# KiCad board AMC_FMC_Carrier-PcbDoc.kicad_pcb (continued)
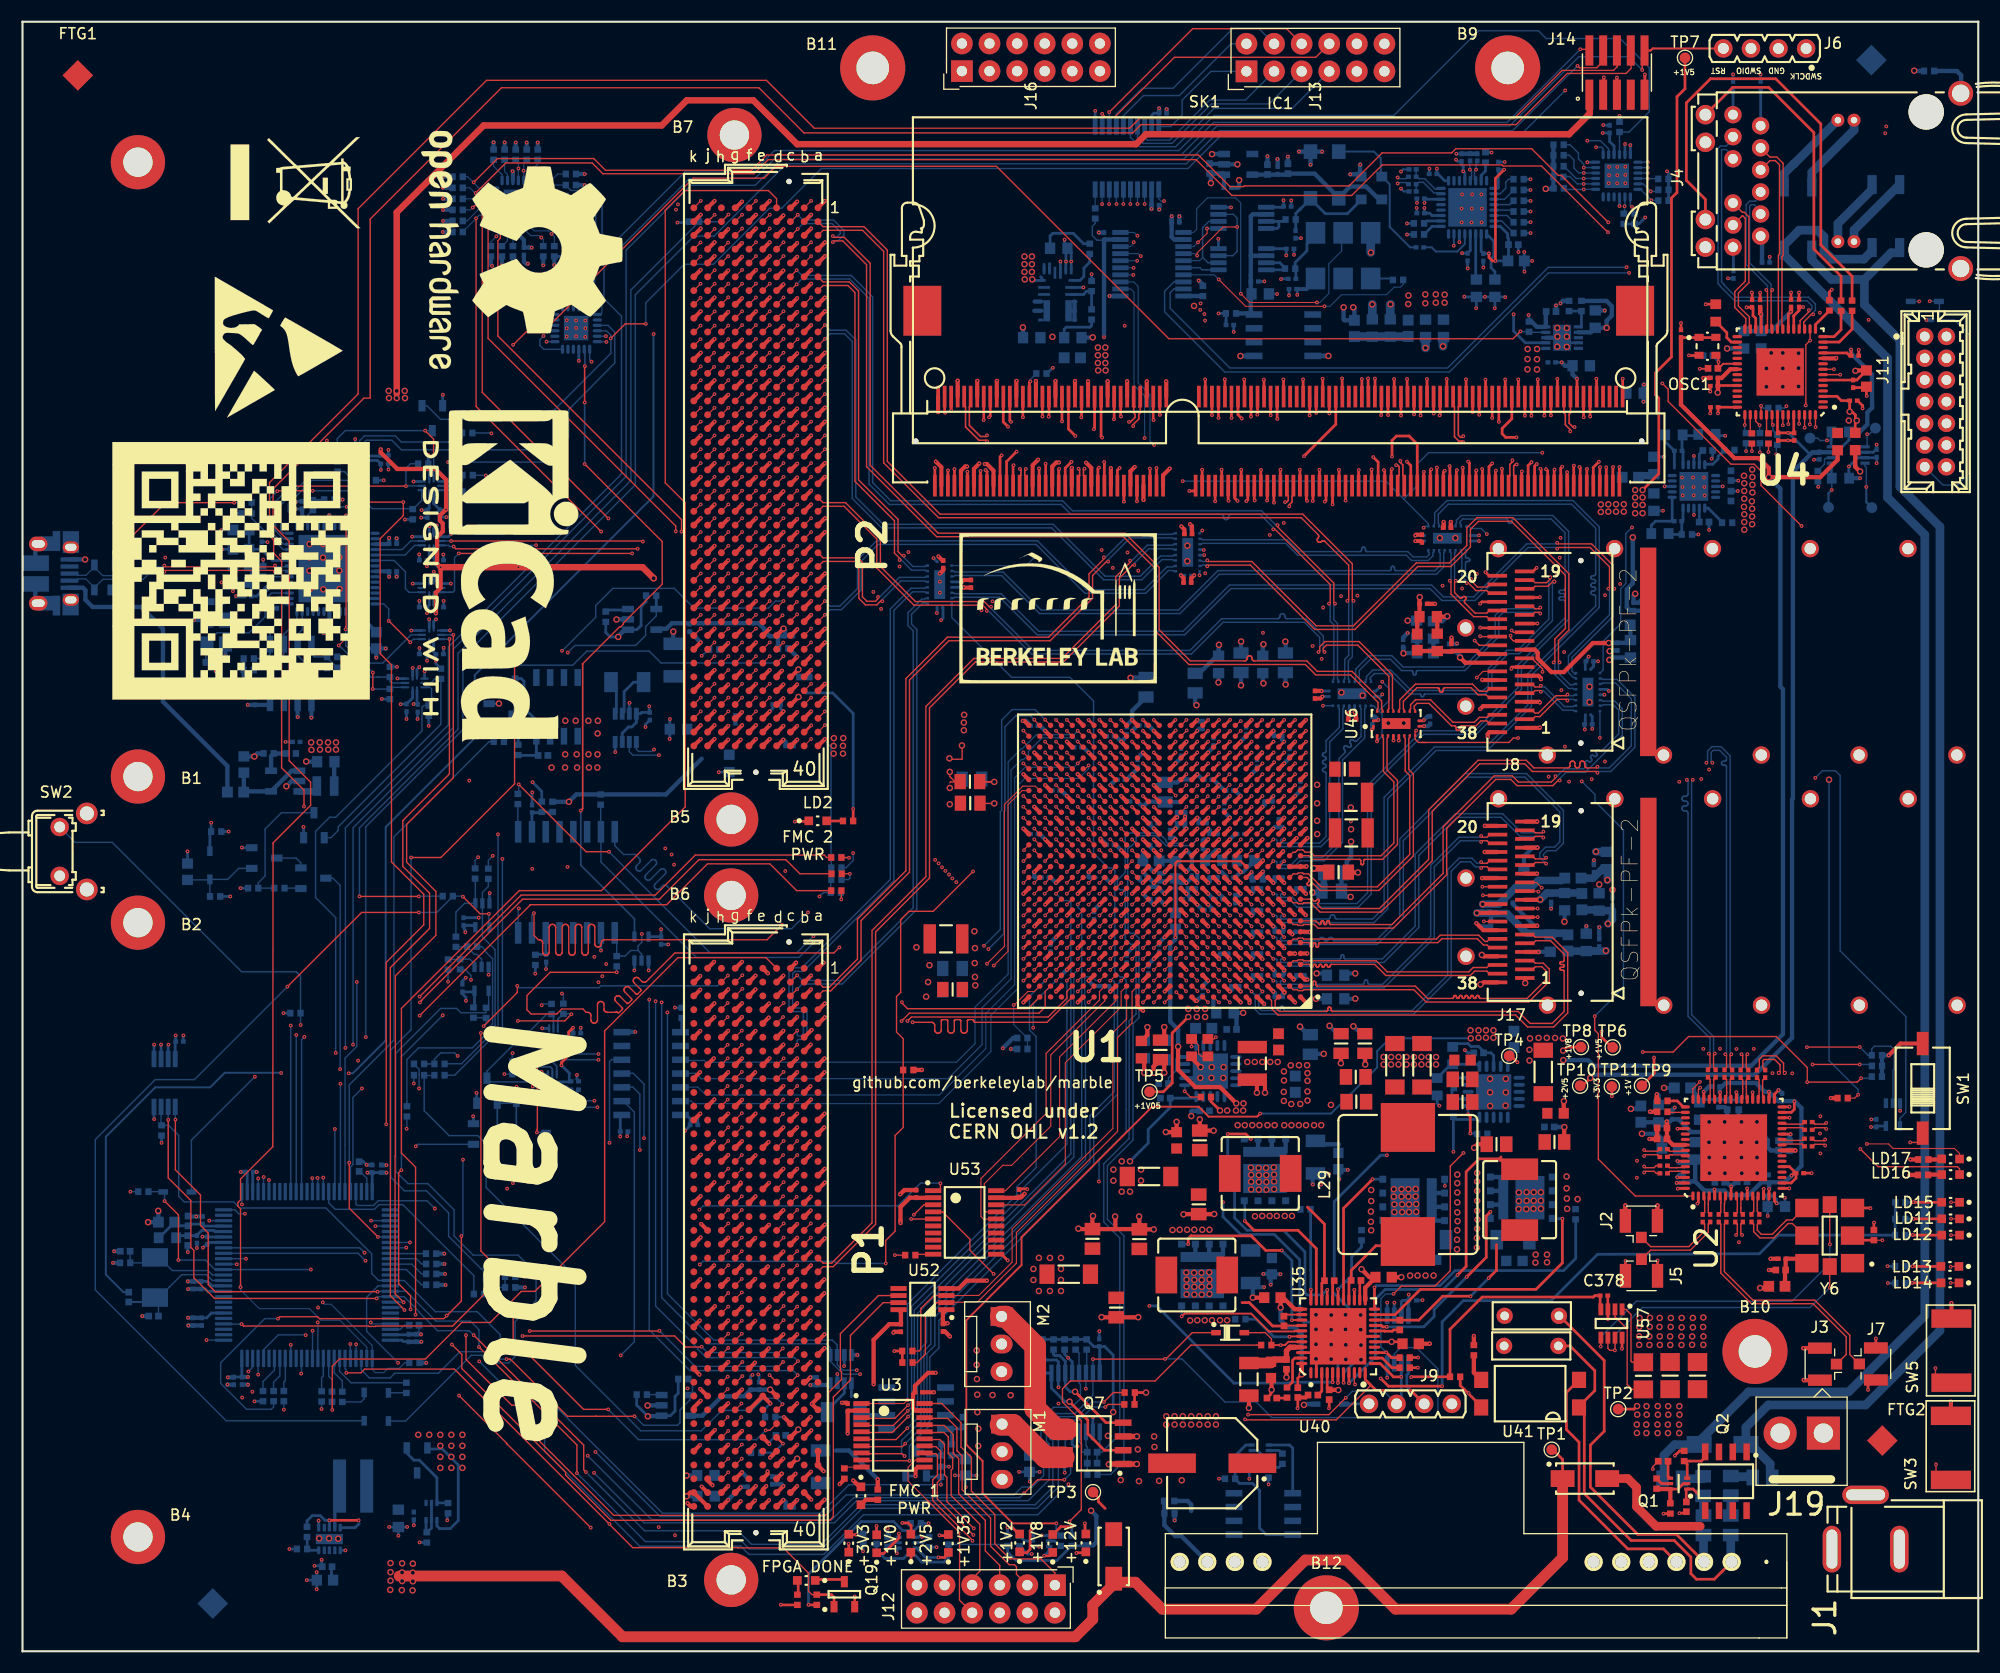
[diagram p0: board, top side]
## Routing (per net, layer and track width the routed paths; a pad name or vN(x,y) marks a point on that pad's centre or on a via; arc(x,y) is an arc through that point) (continued)
FMC1_LA_26_N: length 56.5
  Top w0.11: U1.E12 v1(106.15,63.76)
  Top w0.112: v1(70.05,30.48) 69.42,29.85 P1.D27
  In4.Cu w0.1: v1(70.05,30.48) 70.56,30.99 80.26,30.99 106.13,56.85 106.13,57.99 105.79,58.33 105.79,64 105.9,64.1 106.06,64.1 106.15,64 v1(106.15,63.76)
FMC1_LA_26_P: length 56.6
  Top w0.11: U1.E13 105.65,64.23 v1(106.14,64.72)
  Top w0.112: P1.D26 69.4,31.13 v1(70.05,31.78)
  In4.Cu w0.1: v1(70.05,31.78) 70.56,31.28 80.14,31.28 105.84,56.97 105.84,57.87 105.5,58.21 105.5,64.15 105.75,64.39 106.04,64.39 106.14,64.49 v1(106.14,64.72)
FMC1_LA_27_N: length 54.3
  Top w0.102: U1.F13 v1(105.12,64.73)
  Top w0.112: v1(71.3,30.48) 70.67,29.85 P1.C27
  In7.Cu w0.1: v1(105.12,64.73) 104.76,64.38 104.76,58.15 104.38,57.76 104.38,55.9 79.44,30.96 71.78,30.96 v1(71.3,30.48)
FMC1_LA_27_P: length 53.9
  Top w0.102: U1.F14 v1(104.12,64.73)
  Top w0.112: P1.C26 70.69,31.12 v1(71.3,31.73)
  In2.Cu w0.079: v1(71.3,31.73) 71.29,31.73
  In7.Cu w0.1: v1(71.3,31.73) 71.78,31.25 79.32,31.25 104.09,56.02 104.09,57.88 104.47,58.27 104.47,64.38 v1(104.12,64.73)
  Bottom w0.127: v1(104.12,64.73) 104.12,64.71
FMC1_LA_28_N: length 71.3
  Top w0.102: U1.H13 v1(105.12,66.73)
  Top w0.112: P1.H32 64.32,23.55 v1(64.9,24.13)
  In2.Cu w0.1: 105.12,66.74 105.12,67.02 105.05,67.09 104.98,67.09 104.76,66.88 104.76,58.46 104.36,58.06 104.36,55.14 102.64,53.42 102.64,52.84 94.49,44.7 85.38,44.7 75.32,34.64 75.32,27.11 74,25.79 70.57,25.79 69.34,24.56 65.33,24.56 v1(64.9,24.13)
FMC1_LA_28_P: length 71.2
  Top w0.102: U1.J13 v1(105.12,67.73)
  Top w0.112: P1.H31 64.39,24.77 v1(64.9,25.28)
  In2.Cu w0.1: v1(64.9,25.28) 65.33,24.85 69.22,24.85 70.45,26.08 73.88,26.08 75.03,27.23 75.03,34.76 85.26,44.99 94.37,44.99 102.35,52.96 102.35,53.54 104.07,55.26 104.07,58.18 104.47,58.58 104.47,67 104.86,67.38 105.04,67.38 105.12,67.46 105.12,67.73
FMC1_LA_29_N: length 71.5
  Top w0.102: U1.F8 v1(111.12,64.73)
  Top w0.112: P1.G31 65.69,24.77 v1(66.25,25.33)
  In4.Cu w0.1: v1(66.25,25.33) 66.75,25.84 74.38,25.84 75.15,26.61 80.75,26.61 104.21,50.07 106.71,50.07 108.19,51.55 110.83,51.55 111.77,52.49 111.77,59.56 111.77,59.56 111.77,59.9 111.77,59.9 111.77,60.07 111.46,60.37 110.97,60.37 110.76,60.58 110.76,64.38 v1(111.12,64.73)
FMC1_LA_29_P: length 71
  Top w0.102: v1(110.12,64.73) 110.12,64.73 U1.F9
  Top w0.112: P1.G30 65.66,26.04 v1(66.25,26.63)
  In4.Cu w0.1: v1(110.12,64.73) 110.47,64.38 110.47,60.46 110.85,60.08 111.34,60.08 111.48,59.95 111.48,59.44 111.48,59.44 111.48,52.61 110.71,51.84 108.07,51.84 106.59,50.36 104.09,50.36 80.63,26.9 75.03,26.9 74.26,26.13 66.75,26.13 v1(66.25,26.63)
FMC1_LA_30_N: length 72.9
  Top w0.112: v1(64.95,20.28) 64.36,19.69 P1.H35
  Top w0.127: v1(108.13,60.77) 107.67,61.23 U1.B11
  In2.Cu w0.1: v1(108.13,60.77) 107.75,60.38 107.75,60.16 107.19,59.61 107.06,59.61 106.77,59.31 106.77,56.93 107.2,56.49 107.2,52.58 105.79,51.17 104.29,51.17 93.46,40.34 85.18,40.34 77.89,33.05 77.89,23.64 73.81,19.56 69.53,19.56 69.18,19.91 69.18,20.33 68.76,20.75 65.42,20.75 v1(64.95,20.28)
FMC1_LA_30_P: length 72.1
  Top w0.112: P1.H34 64.9,21.54 v1(64.9,21.56)
  Top w0.127: v1(107.08,60.76) 107.08,60.77 U1.B12
  In2.Cu w0.1: v1(64.9,21.56) 65.42,21.04 68.88,21.04 69.47,20.45 69.47,20.03 69.65,19.85 73.69,19.85 77.6,23.76 77.6,33.17 85.09,40.66 93.37,40.66 104.17,51.46 105.67,51.46 106.91,52.7 106.91,56.37 106.48,56.81 106.48,60.15 v1(107.08,60.76)
FMC1_LA_31_N: length 67.7
  Top w0.112: v1(66.15,21.56) 66.15,21.52 P1.G34
  Top w0.127: U1.A12 106.62,60.24 v1(106.19,60.67)
  In2.Cu w0.1: v1(66.15,21.56) 66.64,22.05 73.82,22.05 76.36,24.59 76.36,33.22 86.8,43.66 95.22,43.66 103.58,52.03 105.32,52.03 105.9,52.6 105.9,54.18 105.51,54.57 105.51,55.75 106,56.24 106,60.12 105.86,60.27 105.86,60.34 v1(106.19,60.67)
FMC1_LA_31_P: length 67.2
  Top w0.112: 65.61,22.22 66.17,22.78
  Top w0.127: U1.A13 105.62,60.23 v1(105.12,59.73)
  In2.Cu w0.1: v1(105.12,59.73) 105.49,60.11 105.61,60.11 105.71,60 105.71,56.36 105.22,55.87 105.22,54.45 105.61,54.06 105.61,52.73 105.2,52.32 103.46,52.32 95.1,43.95 86.68,43.95 76.07,33.34 76.07,24.71 73.7,22.34 66.64,22.34 v1(66.17,22.81)
FMC1_LA_32_N: length 75.7
  Top w0.102: U1.C13 v1(105.12,61.73)
  Top w0.112: P1.H38 64.35,15.88 v1(64.95,16.48)
  In9.Cu w0.1: v1(105.12,61.73) 104.76,61.38 104.76,58.47 104.43,58.14 104.43,57.23 96.68,49.48 83.22,49.48 73.65,39.9 69.88,39.9 69.48,39.5 69.48,24.53 69.57,24.43 69.57,23.73 69.48,23.64 69.48,17.6 69.45,17.57 69.45,17.53 69.09,17.18 69.06,17.18 68.84,16.96 65.43,16.96 v1(64.95,16.48)
FMC1_LA_32_P: length 75.2
  Top w0.102: U1.C14 v1(104.12,61.73)
  Top w0.112: v1(64.95,17.73) 64.37,17.15 P1.H37
  In9.Cu w0.1: v1(64.95,17.73) 65.43,17.25 68.72,17.25 68.94,17.47 68.97,17.47 69.16,17.65 69.16,17.69 69.19,17.72 69.19,23.76 69.28,23.85 69.28,24.31 69.19,24.41 69.19,39.62 69.76,40.19 73.53,40.19 83.1,49.77 96.56,49.77 104.14,57.35 104.14,58.26 104.47,58.59 104.47,61.38 v1(104.12,61.73)
FMC1_LA_33_N: length 83.3
  Top w0.112: v1(66.2,17.73) 65.62,17.15 P1.G37
  Top w0.127: U1.A10 108.62,60.23 v1(109.1,59.75)
  In9.Cu w0.1: v1(109.1,59.75) 109.1,60.03 109.19,60.12 109.36,60.12 109.46,60.02 109.46,57.79 108.16,56.49 108.16,55.24 106.94,54.02 106.94,52.65 104.64,50.36 102.58,50.36 97.85,45.63 84.91,45.63 74.29,35.02 74.29,16.48 73.73,15.92 64.65,15.92 64.4,16.17 64.4,18.02 64.62,18.24 65.69,18.24 v1(66.2,17.73)
FMC1_LA_33_P: length 85.2
  Top w0.112: P1.G36 65.59,18.42 v1(66.2,19.03)
  Top w0.127: U1.B10 108.65,61.23 v1(109.13,60.75)
  In9.Cu w0.1: v1(109.13,60.75) 109.13,60.46 109.18,60.41 109.48,60.41 109.75,60.14 109.75,57.67 108.45,56.37 108.45,55.12 107.23,53.9 107.23,52.53 104.76,50.07 102.7,50.07 97.97,45.34 85.03,45.34 74.58,34.9 74.58,16.36 73.85,15.63 64.53,15.63 64.11,16.05 64.11,18.14 64.5,18.53 65.69,18.53 v1(66.2,19.03)
FMC2_DP0_C2M_N: length 90.4
  Top w0.127: P2.C3 70.75,130.33 v1(71.35,130.93)
  Top w0.13: 125.17,86.5 125.17,86.67 125.09,86.76 125.09,87.48 122.37,90.2 119.17,90.2 118.2,91.16 113.38,91.16 113.33,91.17 113.28,91.19 113.24,91.21 113.21,91.25 113.18,91.29 113.16,91.34 113.16,91.39 113.16,91.41 113.15,91.46 113.13,91.51 113.11,91.55 113.07,91.59 113.03,91.62 112.98,91.63 112.93,91.64 112.88,91.63 112.83,91.62 112.79,91.59 112.76,91.55 112.73,91.51 112.71,91.46 112.71,91.41 112.71,91.39 112.7,91.34 112.68,91.29 112.66,91.25 112.62,91.21 112.58,91.19 112.53,91.17 112.48,91.16 107.48,91.16 104.61,94.04 104.61,99.78 101.46,102.92 84.27,102.92 78.01,109.18 78.01,127.77 75.63,130.15 74.69,130.15 v1(74.58,130.26)
  Bottom w0.13: v1(74.58,130.26) 74.69,130.15 74.92,130.15 75.27,130.5 75.27,130.66 74.51,131.42 71.84,131.42 v1(71.35,130.93)
FMC2_DP0_C2M_P: length 90.4
  Top w0.127: P2.C2 70.72,131.6 v1(71.35,132.23)
  Top w0.13: v1(74.58,129.71) 74.69,129.82 75.49,129.82 77.68,127.63 77.68,109.04 84.13,102.59 101.33,102.59 104.28,99.64 104.28,93.9 107.35,90.83 118.06,90.83 119.03,89.87 122.23,89.87 124.75,87.34 124.75,86.76 124.67,86.67 124.67,86.5
  Bottom w0.13: v1(71.35,132.23) 71.84,131.75 74.65,131.75 75.6,130.79 75.6,130.36 75.06,129.82 74.69,129.82 v1(74.58,129.71)
FMC2_DP0_M2C_N: length 81.7
  Top w0.127: v1(71.25,125.83) 70.67,125.25 P2.C7
  Top w0.13: v1(115.12,103.28) 115.27,103.28 120.36,98.19 120.36,96.54 v1(120.25,96.43)
  Bottom w0.13: v1(115.12,103.28) 115.12,103.43 113.9,104.65 111.22,104.65 111.17,104.65 111.12,104.63 111.08,104.6 111.05,104.57 111.02,104.52 111,104.48 111,104.43 111,104.39 110.99,104.34 110.97,104.3 110.95,104.25 110.91,104.22 110.87,104.19 110.82,104.17 110.77,104.17 110.72,104.17 110.67,104.19 110.63,104.22 110.6,104.25 110.57,104.3 110.55,104.34 110.55,104.39 110.55,104.43 110.54,104.48 110.52,104.52 110.5,104.57 110.46,104.6 110.42,104.63 110.37,104.65 110.32,104.65 96.5,104.65 95.59,105.57 79.79,105.57 77.91,107.44 77.91,124.53 76.13,126.32 71.73,126.32 v1(71.25,125.83) ; U48.12 120.61,89.41 120.69,89.5 120.69,94.48 120.36,94.82 120.36,96.32 v1(120.25,96.43)
FMC2_DP0_M2C_P: length 81.7
  Top w0.127: P2.C6 70.67,126.55 v1(71.25,127.13)
  Top w0.13: v1(115.51,103.66) 115.51,103.51 120.69,98.33 120.69,96.54 v1(120.8,96.43)
  Bottom w0.13: v1(71.25,127.13) 71.73,126.65 76.27,126.65 78.24,124.67 78.24,107.58 79.92,105.9 95.72,105.9 96.64,104.98 114.04,104.98 115.35,103.66 v1(115.51,103.66) ; v1(120.8,96.43) 120.69,96.32 120.69,94.95 121.03,94.61 121.03,89.5 121.11,89.41 U48.13
FMC2_DP1_C2M_N: length 68.9
  Top w0.13: P2.A23 73.68,105.4 75.61,105.4 78.62,102.39 78.62,99.72 82.05,96.29 88.37,96.29 88.75,95.91 v1(88.75,95.76) ; v1(119.28,91.99) 119.39,92.1 119.39,92.46 119.87,92.94 123.03,92.94 126.09,89.88 126.09,86.76 126.17,86.67 126.17,86.5
  Bottom w0.13: v1(119.28,91.99) 119.39,92.1 119.39,93.32 117.99,94.72 110.5,94.72 107.58,91.8 92.87,91.8 88.91,95.76 v1(88.75,95.76)
FMC2_DP1_C2M_P: length 68.9
  Top w0.13: P2.A22 73.68,105.73 75.74,105.73 78.95,102.52 78.95,99.86 82.18,96.62 88.51,96.62 88.99,96.15 v1(89.14,96.15) ; 125.67,86.5 125.67,86.67 125.75,86.76 125.75,89.75 122.89,92.61 120,92.61 119.72,92.33 119.72,92.1 v1(119.83,91.99)
  Bottom w0.13: v1(119.83,91.99) 119.72,92.1 119.72,93.45 118.12,95.05 116.4,95.05 116.35,95.06 116.31,95.07 116.26,95.1 116.23,95.13 116.2,95.18 116.18,95.22 116.18,95.27 116.18,95.29 116.17,95.34 116.16,95.39 116.13,95.43 116.09,95.47 116.05,95.5 116,95.51 115.95,95.52 115.9,95.51 115.86,95.5 115.81,95.47 115.78,95.43 115.75,95.39 115.73,95.34 115.73,95.29 115.73,95.27 115.72,95.22 115.71,95.18 115.68,95.13 115.64,95.1 115.6,95.07 115.55,95.06 115.5,95.05 110.37,95.05 107.45,92.13 93,92.13 89.14,95.99 v1(89.14,96.15)
FMC2_DP1_M2C_N: length 84.8
  Top w0.13: v1(121.95,96.69) 122.06,96.8 122.06,99.97 119.87,102.16 119.83,102.19 119.79,102.21 119.74,102.22 119.69,102.22 119.64,102.21 119.59,102.19 119.55,102.16 119.54,102.15 119.5,102.11 119.46,102.09 119.41,102.08 119.36,102.08 119.31,102.09 119.26,102.11 119.22,102.15 119.19,102.18 119.17,102.23 119.16,102.28 119.16,102.33 119.17,102.38 119.19,102.42 119.22,102.46 119.24,102.48 119.27,102.52 119.29,102.56 119.3,102.61 119.3,102.66 119.29,102.71 119.27,102.76 119.24,102.79 117.68,104.35 84.31,104.35 79.26,109.4 79.26,128.85 77.31,130.8 73.68,130.8 P2.A3
  Bottom w0.13: U48.14 121.61,89.41 121.69,89.5 121.69,91.31 122.06,91.68 122.06,96.58 v1(121.95,96.69)
FMC2_DP1_M2C_P: length 84.8
  Top w0.13: v1(122.5,96.69) 122.39,96.8 122.39,100.11 117.82,104.68 84.44,104.68 79.59,109.53 79.59,128.99 77.45,131.13 73.68,131.13 P2.A2
  Bottom w0.13: v1(122.5,96.69) 122.39,96.58 122.39,91.54 122.03,91.18 122.03,89.5 122.11,89.41 U48.15
FMC2_DP2_C2M_N: length 14.9
  Top w0.13: v1(79.12,96.66) 78.97,96.66 78.63,96.32 77.58,96.32 76.97,96.92 76.97,100.1 76.75,100.32 73.68,100.32 P2.A27
  Bottom w0.13: v1(79.12,96.66) 79.12,96.81 80.83,98.52 83.07,98.52 83.15,98.44 83.33,98.44
FMC2_DP2_C2M_P: length 14.9
  Top w0.13: v1(78.73,97.05) 78.73,96.89 78.49,96.65 77.71,96.65 77.3,97.06 77.3,100.24 76.89,100.65 73.68,100.65 P2.A26
  Bottom w0.13: v1(78.73,97.05) 78.89,97.05 80.69,98.85 83.07,98.85 83.15,98.94 83.33,98.94
FMC2_DP2_M2C_N: length 33.2
  Top w0.13: P2.A7 73.68,125.72 75.96,125.72 76.62,125.07 76.62,107.69 80.25,104.06 80.25,101.09 80.73,100.61 v1(80.73,100.46)
  Bottom w0.13: 83.33,99.44 83.15,99.44 83.07,99.52 81.82,99.52 80.88,100.46 v1(80.73,100.46)
FMC2_DP2_M2C_P: length 33.2
  Top w0.13: P2.A6 73.68,126.05 76.1,126.05 76.95,125.2 76.95,107.83 80.58,104.2 80.58,101.23 80.96,100.85 v1(81.12,100.85)
  Bottom w0.13: 83.33,99.94 83.15,99.94 83.07,99.85 81.95,99.85 81.12,100.69 v1(81.12,100.85)
FMC2_DP3_C2M_N: length 40.2
  Top w0.112: P2.A31 v1(73.85,95.41)
  Bottom w0.13: v1(73.85,95.41) 74.32,95.88 75.36,95.88 77.17,97.69 77.17,100.33 78.73,101.88 93.29,101.88 97.78,97.39 103.37,97.39 105.47,99.48 105.87,99.48 105.96,99.4 106.13,99.4
FMC2_DP3_C2M_P: length 40.2
  Top w0.112: P2.A30 v1(73.85,96.68)
  Bottom w0.13: 106.13,99.9 105.96,99.9 105.87,99.81 105.33,99.81 103.23,97.72 97.92,97.72 93.42,102.21 78.59,102.21 76.84,100.47 76.84,97.82 75.23,96.21 74.32,96.21 v1(73.85,96.68)
FMC2_DP3_M2C_N: length 52
  Top w0.112: P2.A11 v1(73.85,120.81)
  Bottom w0.13: v1(73.85,120.81) 74.32,121.28 75.66,121.28 76.36,120.57 76.36,106.12 79.08,103.41 94.72,103.41 99.5,98.63 103.01,98.63 104.87,100.48 105.87,100.48 105.96,100.4 106.13,100.4
FMC2_DP3_M2C_P: length 52
  Top w0.112: P2.A10 v1(73.85,122.08)
  Bottom w0.13: 106.13,100.9 105.96,100.9 105.87,100.81 104.73,100.81 102.88,98.96 99.63,98.96 94.86,103.74 79.21,103.74 76.69,106.26 76.69,120.71 75.8,121.61 74.32,121.61 v1(73.85,122.08)
FMC2_HA00_CC_N: length 76.9
  Top w0.11: U1.N22 96.12,71.73 v1(96.12,71.73)
  Top w0.112: P2.F5 v1(67.5,128.43)
  In4.Cu w0.1: v1(67.5,128.43) 67.99,128.92 76.87,128.92 80.53,125.26 80.53,110.91 89.82,101.62 89.82,100.69 92.07,98.44 92.07,95.45 95.47,92.05 95.47,82.44 95.83,82.09 96.28,82.09 96.47,81.89 96.47,72.09 v1(96.12,71.73)
FMC2_HA00_CC_P: length 77.4
  Top w0.11: v1(97.12,71.73) 97.12,71.73 U1.N21
  Top w0.112: P2.F4 v1(67.5,129.7)
  In4.Cu w0.1: v1(67.5,129.7) 67.99,129.21 76.99,129.21 80.82,125.38 80.82,111.03 90.11,101.74 90.11,100.81 92.36,98.56 92.36,95.57 95.76,92.17 95.76,82.56 95.95,82.38 96.4,82.38 96.76,82.01 96.76,72.09 v1(97.12,71.73)
FMC2_HA01_CC_N: length 81.9
  Top w0.11: U1.P21 97.12,73.73 v1(97.12,73.73)
  Top w0.112: P2.E3 v1(68.77,130.97)
  In4.Cu w0.1: v1(97.12,73.73) 97.47,74.09 98.38,74.09 98.76,74.47 98.76,81.8 98.28,82.28 97.86,82.28 96.76,83.38 96.76,92.63 93.36,96.04 93.36,99.24 91.37,101.23 91.37,103.15 86.48,108.05 86.48,109.31 82.95,112.84 82.95,126 75.89,133.05 68.41,133.05 67.99,132.64 67.99,131.74 v1(68.77,130.97)
FMC2_HA01_CC_P: length 80.1
  Top w0.11: U1.R21 97.12,74.73 v1(97.12,74.73)
  Top w0.112: P2.E2 v1(68.77,132.24)
  In4.Cu w0.1: v1(68.77,132.24) 68.77,131.82 68.69,131.75 68.58,131.75 68.28,132.04 68.28,132.52 68.53,132.76 75.77,132.76 82.66,125.88 82.66,112.81 86.24,109.22 86.24,107.87 91.08,103.03 91.08,101.11 93.07,99.12 93.07,95.92 96.47,92.51 96.47,83.26 97.74,81.99 98.16,81.99 98.47,81.68 98.47,74.59 98.26,74.38 97.47,74.38 v1(97.12,74.73)
FMC2_HA02_N: length 76.5
  Top w0.11: v1(98.11,76.73) 98.12,76.73 U1.U20
  Top w0.112: P2.K8 61.8,123.98 v1(62.4,124.58)
  In7.Cu w0.1: v1(98.11,76.73) 98.47,77.09 98.47,77.92 98.29,78.1 97.74,78.1 97.47,78.38 97.47,78.93 97.32,79.08 96.29,79.08 96.29,79.09 92.94,79.09 92.94,79.08 92.29,79.08 92.28,79.09 91.94,79.09 91.94,79.08 91.64,79.08 91,79.72 91,82.39 90.25,83.15 90.25,96.56 88.8,98 88.8,101.71 84.11,106.4 83.59,106.4 80.55,109.45 80.55,119.15 75.84,123.86 66.26,123.86 66.2,123.91 65.93,123.91 65.57,124.26 65.57,124.54 65.03,125.09 62.91,125.09 v1(62.4,124.58)
FMC2_HA02_P: length 77
  Top w0.11: U1.U19 v1(99.12,76.73)
  Top w0.112: v1(62.4,125.88) 61.78,125.26 P2.K7
  In7.Cu w0.1: v1(62.4,125.88) 62.91,125.38 65.15,125.38 65.86,124.66 65.86,124.38 66.05,124.2 66.33,124.2 66.38,124.15 75.96,124.15 80.84,119.27 80.84,109.57 83.71,106.69 84.23,106.69 89.09,101.83 89.09,98.12 90.54,96.68 90.54,83.27 91.29,82.51 91.29,79.84 91.76,79.37 91.82,79.37 91.82,79.38 92.4,79.38 92.41,79.37 92.82,79.37 92.82,79.38 96.41,79.38 96.41,79.37 97.44,79.37 97.76,79.05 97.76,78.5 97.86,78.39 98.41,78.39 98.76,78.04 98.76,77.09 v1(99.12,76.73)
FMC2_HA03_N: length 82.6
  Top w0.11: U1.T19 v1(99.12,75.73)
  Top w0.112: P2.J7 63.07,125.25 v1(63.7,125.88)
  In9.Cu w0.1: v1(63.7,125.88) 64.18,126.36 66.42,126.36 66.96,126.91 66.96,127.5 67.12,127.66 84.3,127.66 88.56,123.4 88.56,116.07 87.7,115.21 87.7,110.9 90.8,107.8 90.8,97.12 98.48,89.45 98.48,78.45 98.84,78.08 99.27,78.08 99.47,77.87 99.47,76.09 v1(99.12,75.73)
FMC2_HA03_P: length 83.1
  Top w0.11: U1.T18 v1(100.12,75.73)
  Top w0.112: v1(63.7,127.13) 63.09,126.52 P2.J6
  In9.Cu w0.1: v1(100.12,75.73) 99.76,76.09 99.76,77.99 99.39,78.37 98.96,78.37 98.77,78.57 98.77,89.57 91.09,97.24 91.09,107.92 87.99,111.02 87.99,115.09 88.85,115.95 88.85,123.52 84.42,127.95 67,127.95 66.67,127.62 66.67,127.03 66.3,126.65 64.18,126.65 v1(63.7,127.13)
FMC2_HA04_N: length 73.7
  Top w0.11: U1.R17 v1(101.12,74.73)
  Top w0.112: P2.F8 v1(67.5,124.62)
  In7.Cu w0.1: v1(67.5,124.62) 67.99,125.11 76.11,125.11 83.52,117.7 83.52,110.25 83.05,109.78 83.05,108.31 83.9,107.46 84.6,107.46 90.37,101.68 90.37,99.19 93.62,95.95 93.62,89.93 97.47,86.07 97.47,80.42 98.81,79.08 101.29,79.08 101.47,78.9 101.47,75.09 v1(101.12,74.73)
FMC2_HA04_P: length 74.2
  Top w0.11: U1.R16 v1(102.12,74.73)
  Top w0.112: P2.F7 v1(67.5,125.89)
  In7.Cu w0.1: v1(102.12,74.73) 101.76,75.09 101.76,79.02 101.41,79.37 98.93,79.37 97.76,80.54 97.76,86.19 93.91,90.05 93.91,96.07 90.66,99.31 90.66,101.8 84.72,107.75 84.02,107.75 83.34,108.43 83.34,109.66 83.81,110.13 83.81,117.82 76.23,125.4 67.99,125.4 v1(67.5,125.89)
FMC2_HA05_N: length 79.1
  Top w0.11: U1.N17 v1(102.12,72.73)
  Top w0.112: P2.E7 v1(68.77,125.89)
  In9.Cu w0.1: v1(102.12,72.73) 101.76,73.09 98.85,73.09 98.47,73.46 98.47,73.92 98.47,73.93 98.47,76.89 98.27,77.09 97.82,77.09 97.47,77.44 97.47,89.08 89.68,96.88 89.68,105.8 87.41,108.06 87.41,109.67 86.8,110.28 86.8,114.63 85.34,116.08 85.34,123.28 82.25,126.38 69.26,126.38 v1(68.77,125.89)
FMC2_HA05_P: length 79.1
  Top w0.11: U1.P16 v1(102.12,73.73)
  Top w0.112: P2.E6 v1(68.77,127.16)
  In9.Cu w0.1: v1(102.12,73.73) 101.76,73.38 98.97,73.38 98.76,73.59 98.76,77.01 98.39,77.38 97.94,77.38 97.76,77.56 97.76,89.2 89.97,97 89.97,105.92 87.7,108.18 87.7,109.7 87.09,110.31 87.09,114.75 85.63,116.2 85.63,123.4 82.37,126.67 69.26,126.67 v1(68.77,127.16)
FMC2_HA06_N: length 79.1
  Top w0.11: U1.P18 v1(100.12,73.73)
  Top w0.112: v1(62.4,120.78) 61.79,120.17 P2.K11
  In7.Cu w0.1: v1(62.4,120.78) 62.88,121.26 65.16,121.26 65.48,120.95 65.48,118.07 66.06,117.48 74.17,117.48 75.26,116.39 75.26,107.07 80.62,101.71 81.54,101.71 81.95,101.3 81.95,89.71 82.82,88.84 82.82,78.69 87.42,74.09 92,74.09 92,74.09 92.34,74.09 92.35,74.09 98.91,74.09 98.94,74.11 99.28,74.11 99.3,74.09 99.76,74.09 v1(100.12,73.73)
FMC2_HA06_P: length 79.1
  Top w0.11: U1.R18 v1(100.12,74.73)
  Top w0.112: v1(62.4,122.03) 61.81,121.44 P2.K10
  In7.Cu w0.1: v1(100.12,74.73) 99.76,74.38 99.42,74.38 99.4,74.4 98.43,74.4 98.41,74.38 92.47,74.38 92.46,74.38 91.88,74.38 91.88,74.38 87.54,74.38 83.11,78.81 83.11,88.96 82.24,89.83 82.24,101.42 81.66,102 80.74,102 75.55,107.19 75.55,116.51 74.29,117.77 66.18,117.77 65.77,118.19 65.77,121.07 65.28,121.55 62.88,121.55 v1(62.4,122.03)
FMC2_HA07_N: length 70.3
  Top w0.11: U1.T25 v1(93.12,75.73)
  Top w0.112: v1(63.7,122.03) 63.11,121.44 P2.J10
  In7.Cu w0.1: v1(93.12,75.73) 93.39,75.73 93.47,75.82 93.47,75.93 93.32,76.09 88.77,76.09 87.44,77.42 87.44,78.54 86.02,79.96 86.02,82.56 85.03,83.55 85.03,94.74 85.03,94.74 85.03,95.08 85.03,95.08 85.03,101.1 82.62,103.5 81.92,103.5 77.47,107.95 77.47,117.21 74.61,120.07 67.23,120.07 66.78,120.52 66.78,122.22 66.47,122.54 64.2,122.54 v1(63.7,122.03)
FMC2_HA07_P: length 70.8
  Top w0.11: U1.T24 v1(94.12,75.73)
  Top w0.112: P2.J9 63.08,122.71 v1(63.7,123.33)
  In7.Cu w0.1: v1(63.7,123.33) 64.2,122.83 66.59,122.83 67.07,122.34 67.07,120.64 67.35,120.36 74.73,120.36 77.76,117.33 77.76,108.07 82.04,103.79 82.74,103.79 85.32,101.22 85.32,95.2 85.32,95.2 85.32,94.62 85.32,94.62 85.32,83.67 86.31,82.68 86.31,80.08 87.73,78.66 87.73,77.54 88.89,76.38 93.44,76.38 93.76,76.05 93.76,75.8 93.83,75.73 v1(94.12,75.73)
FMC2_HA08_N: length 67.6
  Top w0.11: U1.T23 v1(95.12,75.73)
  Top w0.112: P2.F11 v1(67.5,120.81)
  In7.Cu w0.1: v1(67.5,120.81) 67.99,121.3 75.09,121.3 78.45,117.94 78.45,108.48 82.56,104.37 83.24,104.37 85.74,101.88 85.74,94.25 87.4,92.58 87.4,80.25 88.45,79.19 88.45,77.77 89.13,77.1 95.28,77.1 95.47,76.9 95.47,76.09 v1(95.12,75.73)
FMC2_HA08_P: length 68
  Top w0.11: U1.T22 v1(96.12,75.73)
  Top w0.112: P2.F10 v1(67.5,122.08)
  In7.Cu w0.1: v1(67.5,122.08) 67.99,121.59 75.21,121.59 78.74,118.06 78.74,108.61 82.68,104.66 83.36,104.66 86.03,102 86.03,94.37 87.69,92.7 87.69,80.37 88.74,79.31 88.74,77.89 89.25,77.39 95.4,77.39 95.76,77.02 95.76,76.09 v1(96.12,75.73)
FMC2_HA09_N: length 71.7
  Top w0.11: U1.T17 v1(101.12,75.73)
  Top w0.112: P2.E10 v1(68.77,122.08)
  In7.Cu w0.1: v1(101.12,75.73) 100.76,76.09 96.98,76.09 96.47,76.59 96.47,77.88 96.26,78.09 90.96,78.09 90.11,78.93 90.11,80.25 88.39,81.97 88.39,93.48 87.34,94.54 87.34,101.72 83.75,105.31 83.02,105.31 79.48,108.85 79.48,118.58 75.49,122.57 69.26,122.57 v1(68.77,122.08)
FMC2_HA09_P: length 71.7
  Top w0.11: U1.U17 v1(101.12,76.73)
  Top w0.112: P2.E9 v1(68.77,123.35)
  In7.Cu w0.1: v1(68.77,123.35) 69.26,122.86 75.61,122.86 79.77,118.7 79.77,108.97 83.14,105.6 83.87,105.6 87.63,101.84 87.63,94.66 88.68,93.6 88.68,82.09 90.4,80.37 90.4,79.05 91.08,78.38 96.38,78.38 96.76,78 96.76,76.71 97.1,76.38 100.76,76.38 v1(101.12,76.73)
FMC2_HA10_N: length 74
  Top w0.11: U1.K26 92.15,68.76 v1(92.15,68.73)
  Top w0.112: P2.K14 v1(62.42,117)
  In7.Cu w0.1: v1(62.42,117) 62.42,117.44 62.47,117.49 62.9,117.49 62.92,117.47 62.92,101.46 63.4,100.98 73.41,100.98 76.41,97.97 76.41,87.46 78.22,85.66 78.22,76.93 80.57,74.58 80.57,73.52 85.01,69.08 92.31,69.08 92.49,68.89 92.49,68.78 92.44,68.73 v1(92.15,68.73)
FMC2_HA10_P: length 74.5
  Top w0.11: U1.K25 93.14,68.75 v1(93.14,68.73)
  Top w0.112: P2.K13 v1(62.42,118.27)
  In7.Cu w0.1: v1(93.14,68.73) 92.86,68.73 92.79,68.8 92.79,69.01 92.43,69.37 85.13,69.37 80.86,73.64 80.86,74.7 78.51,77.05 78.51,85.78 76.7,87.58 76.7,98.09 73.53,101.27 63.52,101.27 63.21,101.58 63.21,117.59 63.02,117.78 62.45,117.78 62.42,117.81 v1(62.42,118.27)
FMC2_HA11_N: length 76.4
  Top w0.11: U1.M19 v1(99.12,70.73)
  Top w0.112: v1(63.65,118.23) 63.05,117.63 P2.J13
  In9.Cu w0.1: v1(99.12,70.73) 99.48,71.09 99.48,72.08 99.27,72.28 98.36,72.28 97.47,73.18 97.47,76.21 96.59,77.09 94.24,77.09 94.23,77.1 93.83,77.1 93.48,77.45 93.48,78.95 93.32,79.11 91.58,79.11 89.73,80.96 89.21,80.96 87.67,82.5 87.67,83.24 86.94,83.97 86.25,83.97 82.91,87.31 82.91,101.94 81.48,103.36 81.48,109.38 80.63,110.23 80.63,115.08 76.98,118.74 64.16,118.74 v1(63.65,118.23)
FMC2_HA11_P: length 76.5
  Top w0.11: U1.N18 v1(100.12,71.73)
  Top w0.112: v1(63.65,119.53) 63.05,118.93 P2.J12
  In9.Cu w0.1: v1(63.65,119.53) 64.16,119.03 77.1,119.03 80.92,115.2 80.92,110.35 81.77,109.5 81.77,103.48 83.2,102.06 83.2,87.43 86.37,84.26 87.06,84.26 87.96,83.36 87.96,82.62 89.33,81.25 89.85,81.25 91.7,79.4 93.44,79.4 93.77,79.07 93.77,77.57 93.95,77.39 94.35,77.39 94.36,77.38 96.71,77.38 97.76,76.33 97.76,73.3 98.48,72.57 99.39,72.57 99.77,72.2 99.77,71.5 99.8,71.47 99.86,71.47 v1(100.12,71.73)
FMC2_HA12_N: length 71
  Top w0.11: 94.58,70.21 94.08,69.72
  Top w0.112: P2.F14 v1(67.5,117)
  In9.Cu w0.1: 94.08,69.72 94.08,69.99 94.02,70.05 93.68,70.05 93.47,70.26 93.47,70.97 93.89,71.39 95.06,71.39 95.47,71.81 95.47,75.93 95.32,76.09 92.83,76.09 92.48,76.44 92.48,77.88 92.27,78.09 90.68,78.09 90,78.77 89.17,78.77 88.07,79.87 88.07,80.45 81.54,86.99 81.54,97.98 79.45,100.07 79.45,114.13 76.09,117.49 67.99,117.49 v1(67.5,117)
  vias: v1(94.07,69.73)
FMC2_HA12_P: length 71.1
  Top w0.11: 94.58,71.21 94.58,71.17 94.12,70.71
  Top w0.112: P2.F13 v1(67.5,118.27)
  In9.Cu w0.1: 94.12,70.71 94.12,70.41 94.05,70.34 93.86,70.34 93.76,70.44 93.76,70.85 94.01,71.1 95.18,71.1 95.76,71.69 95.76,76.05 95.44,76.38 92.95,76.38 92.77,76.56 92.77,78 92.39,78.38 90.8,78.38 90.12,79.06 89.29,79.06 88.36,79.99 88.36,80.57 81.83,87.11 81.83,98.1 79.74,100.19 79.74,114.25 76.21,117.78 67.99,117.78 v1(67.5,118.27)
  vias: v1(94.12,70.73)
FMC2_HA13_N: length 67.7
  Top w0.11: v1(98.11,74.73) 98.12,74.73 U1.R20
  Top w0.112: P2.E13 v1(68.77,118.27)
  In7.Cu w0.1: v1(98.11,74.73) 97.76,75.09 88.33,75.09 86.25,77.17 86.25,77.9 85.63,78.52 84.83,78.52 83.96,79.4 83.96,93.59 82.85,94.69 82.85,101.79 81.97,102.68 81.27,102.68 76.34,107.62 76.34,116.91 74.49,118.76 69.26,118.76 v1(68.77,118.27)
FMC2_HA13_P: length 67.7
  Top w0.11: v1(98.11,75.73) 98.12,75.73 U1.T20
  Top w0.112: P2.E12 v1(68.77,119.54)
  In7.Cu w0.1: v1(98.11,75.73) 97.76,75.38 88.45,75.38 86.54,77.29 86.54,78.02 85.75,78.81 84.95,78.81 84.25,79.52 84.25,93.71 83.14,94.81 83.14,101.91 82.09,102.97 81.39,102.97 76.63,107.74 76.63,117.03 74.61,119.05 69.26,119.05 v1(68.77,119.54)
FMC2_HA14_N: length 74.9
  Top w0.11: 98.61,73.26 98.59,73.26 v1(98.12,73.73)
  Top w0.112: P2.J16 v1(63.69,114.46)
  In2.Cu w0.1: v1(98.12,73.73) 98.41,73.73 98.48,73.8 98.48,73.89 98.29,74.08 92.35,74.08 92.34,74.09 92,74.09 92,74.08 83.12,74.08 78.33,78.88 78.33,86.24 76.4,88.17 76.4,106.75 74.52,108.63 63.5,108.63 62.94,109.19 62.94,112.32 63.34,112.72 63.77,112.72 64.26,113.21 64.26,114.82 64.14,114.95 63.78,114.95 63.69,114.86 v1(63.69,114.46)
FMC2_HA14_P: length 75.4
  Top w0.11: 99.61,73.26 99.6,73.26 v1(99.11,73.76)
  Top w0.112: P2.J15 v1(63.69,115.73)
  In2.Cu w0.1: v1(63.69,115.73) 63.69,115.32 63.77,115.24 64.26,115.24 64.55,114.94 64.55,113.09 63.89,112.43 63.46,112.43 63.23,112.2 63.23,109.31 63.62,108.92 74.64,108.92 76.69,106.87 76.69,88.29 78.62,86.36 78.62,79 83.24,74.37 91.88,74.37 91.88,74.38 92.46,74.38 92.47,74.37 98.41,74.37 98.77,74.01 98.77,73.82 98.84,73.76 v1(99.11,73.76)